# Altium PCB node24.PcbDoc (part 7 of 10) (continued)
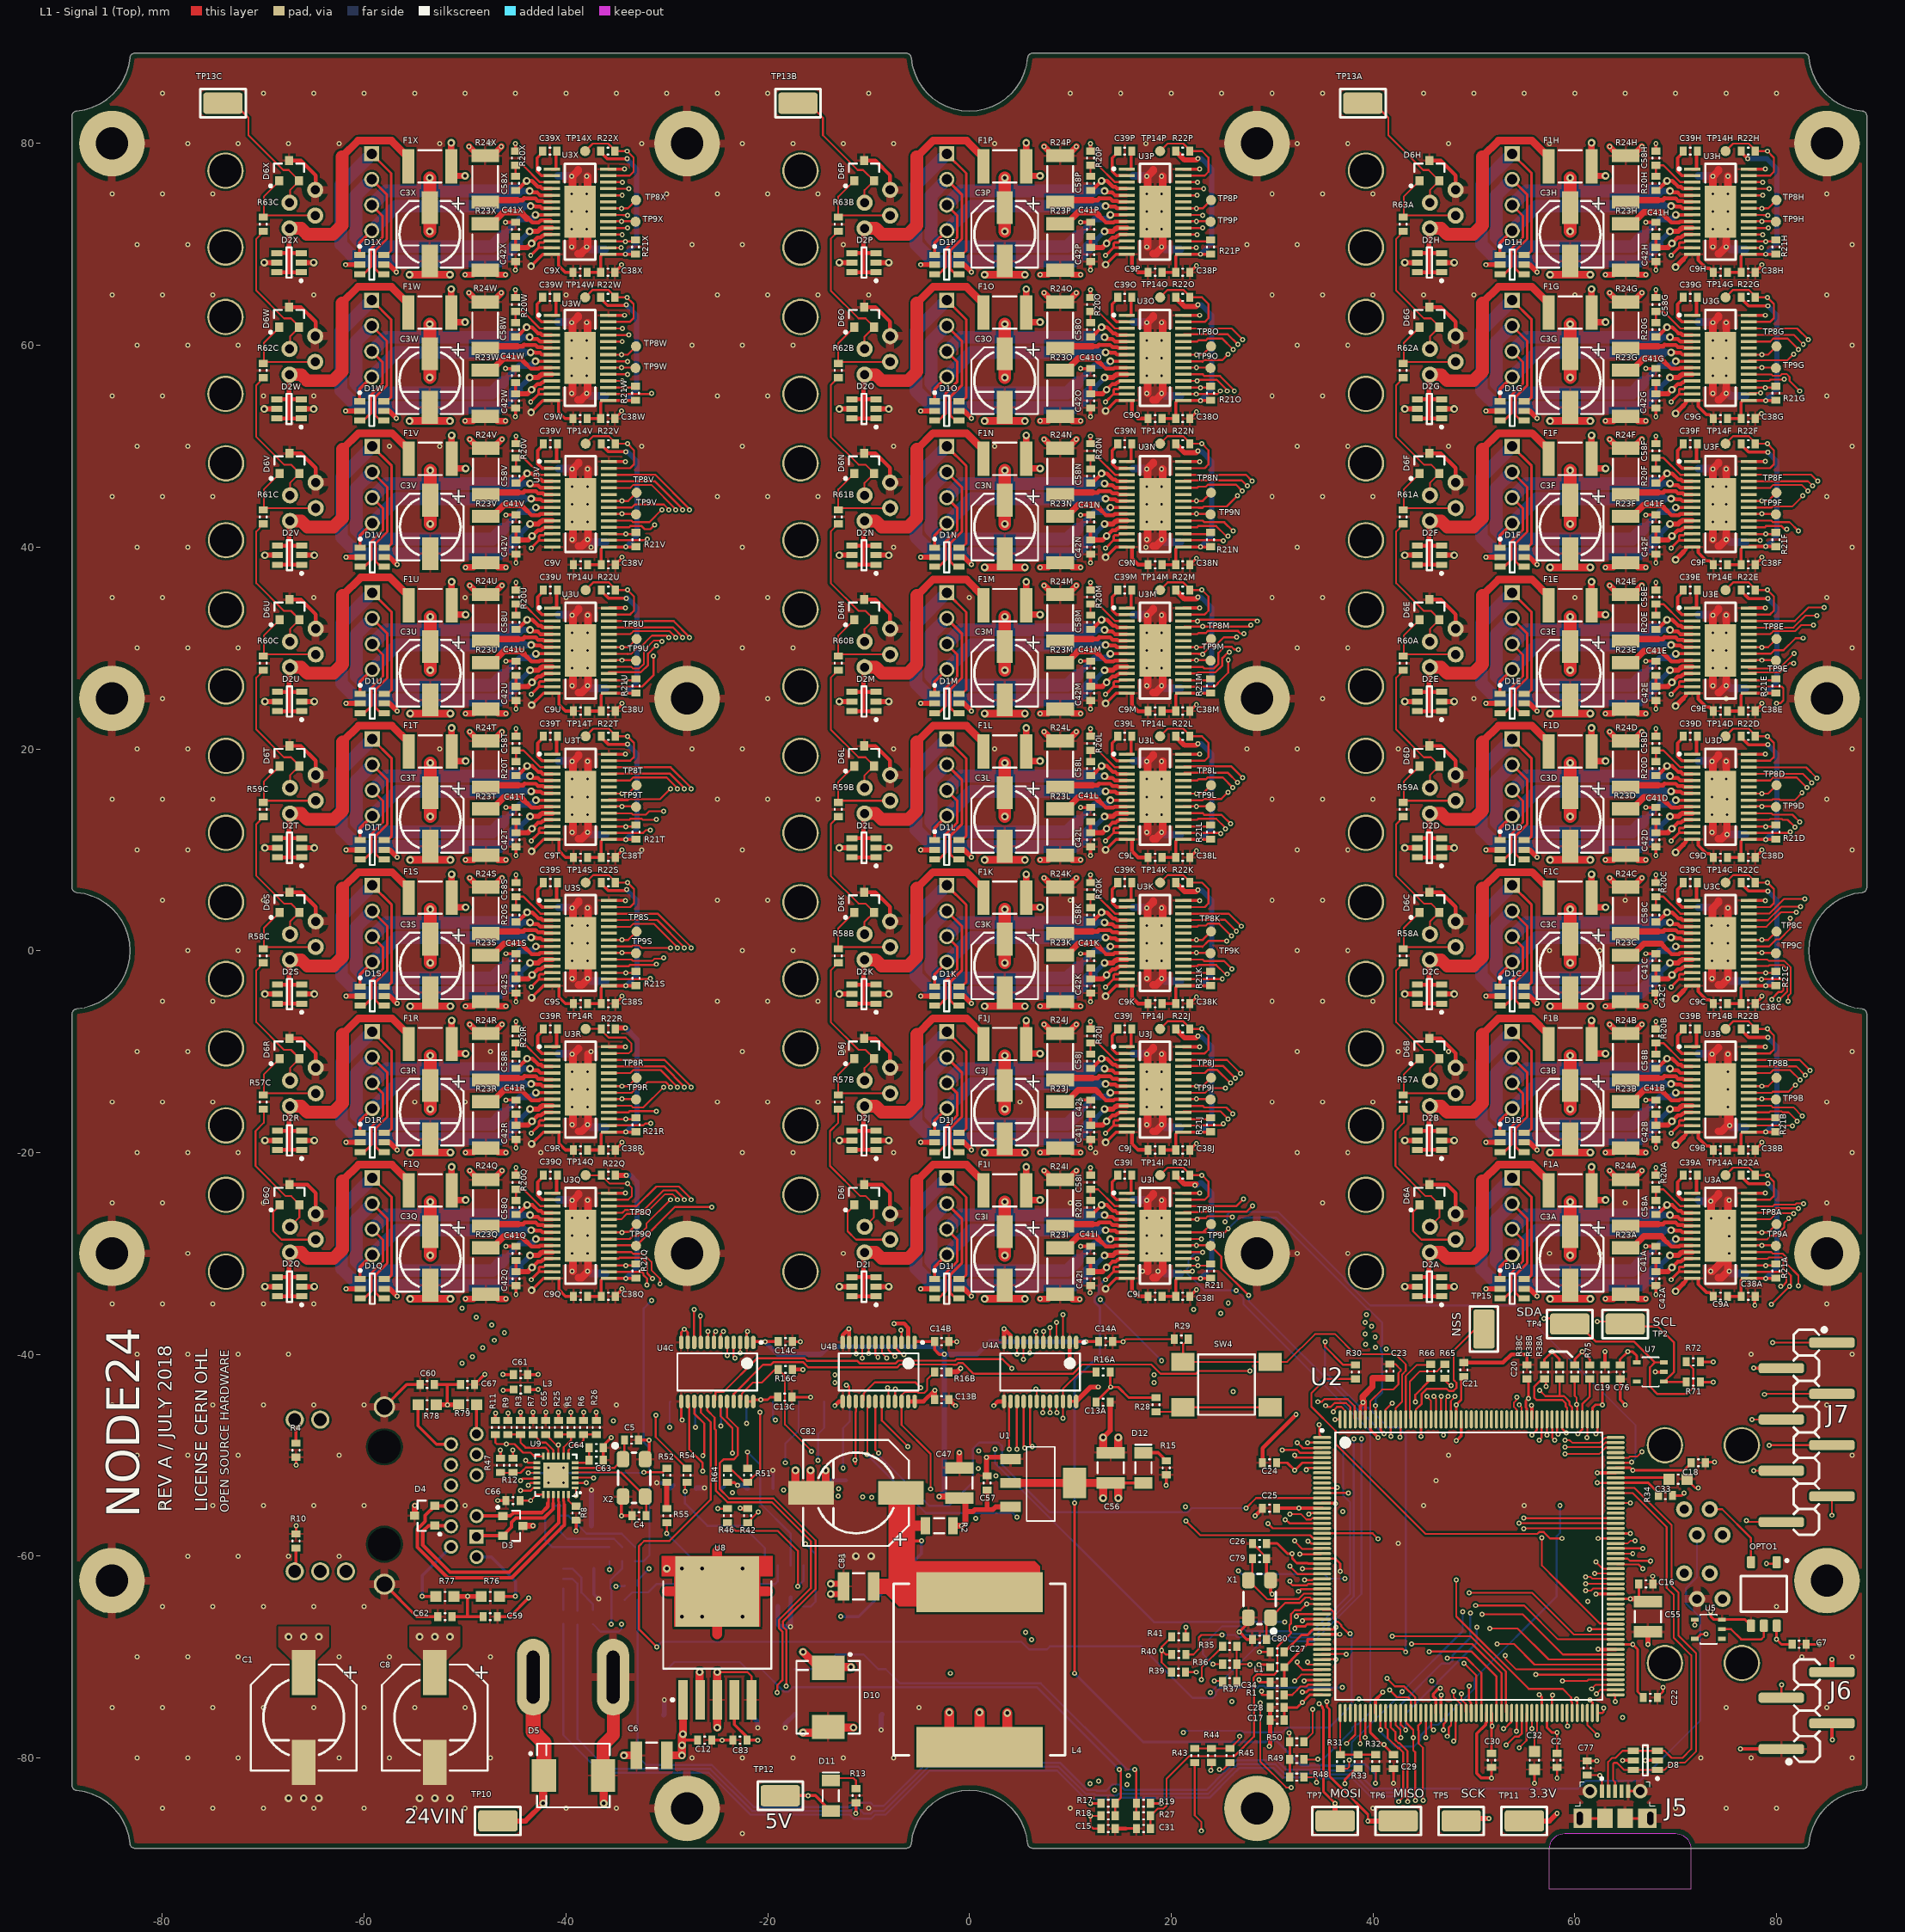
[diagram p0: L1 - Signal 1 (Top) view]
## Nets (pads, with @x,y where several pads share a name; then routed paths per layer and width w, separated by ;. In a path a pad name is that pad's centre, name@x,y a point inside that pad or via, vN(x,y) a via of type N, cw(c..) or ccw(c..) an arc to the next point about the centre after c; other vN are vias at no path point) (continued)
DRV-BANKC-MODE0: R37.2 U3Q.24 U3R.24 U3S.24 U3T.24 U3U.24 U3V.24 U3W.24 U3X.24 | length 245.5
  L1 - Signal 1 (Top) w0.18: U3Q.24@-35.75,-26.625 -34.525,-26.625 -33.975,-26.075 -32.125,-26.075 -30.175,-24.125 -29.443,-24.125 -28.947,-24.622 v1(-28.947,-24.675) ; U3R.24@-35.75,-12.125 -33.615,-12.125 -33.319,-11.829 -30.614,-11.829 -28.947,-13.497 v1(-28.947,-13.55) ; U3S.24@-35.75,2.375 -33.615,2.375 -33.319,2.671 -31.289,2.671 -28.947,0.328 v1(-28.947,0.275) ; U3T.24@-35.75,16.875 -33.633,16.875 -33.338,17.171 -30.014,17.171 -28.947,16.103 v1(-28.947,16.05) ; U3U.24@-35.75,31.375 -33.615,31.375 -33.319,31.671 -29.714,31.671 -29.122,31.078 v1(-29.122,31.025) ; U3V.24@-35.75,45.875 -33.615,45.875 -33.319,46.171 -31.539,46.171 -29.122,43.753 v1(-29.122,43.7) ; v1(24.257,-72.39) 25.028,-72.39 R37.2@25.1,-72.462
  L1 - Signal 1 (Top) w0.203: U3W.24@-35.8,60.375 v1(-34.425,60.375) ; U3X.24@-35.8,74.875 v1(-34.425,74.875)
  L2 - Signal 2 w0.203: v1(-34.425,60.375) -29.122,55.072 v1(-29.122,43.7)
  L5 - Signal 3 w0.18: v1(-34.425,74.875) -34.425,74.242 -31.998,71.815 -31.998,69.687 -29.896,67.584 -29.896,54.57 -30.048,54.418 -30.048,44.68 -29.122,43.753 v1(-29.122,43.7) v1(-29.122,31.025) -29.122,28.872 -31.677,26.317 -31.677,19.958 -28.947,17.228 v1(-28.947,16.05) v1(-28.947,0.275) v1(-28.947,-13.55) v1(-28.947,-24.675) -28.947,-24.728 -17.324,-36.351 -17.095,-36.351 -12.326,-41.121 -12.233,-41.121 15.353,-68.707 20.574,-68.707 v1(24.257,-72.39)
DRV-BANKC-MODE1: R41.2 U3Q.25 U3R.25 U3S.25 U3T.25 U3U.25 U3V.25 U3W.25 U3X.25 | length 247.3
  L1 - Signal 1 (Top) w0.203: U3W.25@-35.8,61.025 v1(-33.775,61.025) ; U3X.25@-35.8,75.525 v1(-33.775,75.525) ; U3Q.25@-35.75,-25.975 -34.401,-25.975 -34.129,-25.703 -32.279,-25.703 -30.329,-23.753 -29.111,-23.753 -28.258,-24.605 v1(-28.258,-24.675) ; U3R.25@-35.75,-11.475 -35.732,-11.457 -30.281,-11.457 -28.258,-13.48 v1(-28.258,-13.55) ; U3S.25@-35.75,3.025 -35.732,3.043 -30.956,3.043 -28.258,0.345 v1(-28.258,0.275) ; U3T.25@-35.75,17.525 -35.732,17.543 -29.681,17.543 -28.258,16.12 v1(-28.258,16.05) ; U3U.25@-35.75,32.025 -35.732,32.043 -29.381,32.043 -28.433,31.095 v1(-28.433,31.025) ; U3V.25@-35.75,46.525 -35.732,46.543 -31.206,46.543 -28.433,43.77 v1(-28.433,43.7) ; R41.2@21.45,-68 v1(21.45,-67.056)
  L2 - Signal 2 w0.203: v1(-33.775,61.025) -28.433,55.683 v1(-28.433,43.7)
  L5 - Signal 3 w0.18: v1@-33.786,75.536 v1(-33.775,75.525) -33.775,74.118 -31.626,71.969 -31.626,70.375
  L5 - Signal 3 w0.203: -31.626,70.375 -31.626,69.841 -29.523,67.739 -29.523,54.416 -29.676,54.264 -29.676,45.012 -28.433,43.77 v1(-28.433,43.7) v1(-28.433,31.025) -28.433,29.034 -31.305,26.163 -31.305,20.112 -28.258,17.066 v1(-28.258,16.05) v1(-28.258,0.275) v1(-28.258,-13.55) v1(-28.258,-24.675) -28.258,-24.745 -17.024,-35.979 -16.941,-35.979 -12.172,-40.748 -12.079,-40.748 14.228,-67.056 v1(21.45,-67.056)
DRV-BANKC-MODE2: R45.2 U3Q.26 U3R.26 U3S.26 U3T.26 U3U.26 U3V.26 U3W.26 U3X.26 | length 273.9
  L1 - Signal 1 (Top) w0.203: U3W.26@-35.8,61.675 v1(-34.4,61.675) v1@-34.286,61.561 ; U3X.26@-35.8,76.175 v1(-34.4,76.175) ; U3Q.26@-35.75,-25.325 -35.744,-25.319 -32.994,-25.319 -31.044,-23.369 -28.806,-23.369 -27.57,-24.605 v1(-27.57,-24.675) ; U3R.26@-35.75,-10.825 -30.225,-10.825 -27.57,-13.48 v1(-27.57,-13.55) ; U3S.26@-35.75,3.675 -30.9,3.675 -27.57,0.345 v1(-27.57,0.275) ; U3T.26@-35.75,18.175 -29.625,18.175 -27.57,16.12 v1(-27.57,16.05) ; U3U.26@-35.75,32.675 -29.325,32.675 -27.745,31.095 v1(-27.745,31.025) ; U3V.26@-35.75,47.175 -31.15,47.175 -27.745,43.77 v1(-27.745,43.7) ; v1(24.765,-81.153) 25.147,-81.153 R45.2@25.84,-80.46
  L2 - Signal 2 w0.203: v1(-34.4,61.675) -33.667,61.675 -27.745,55.753 v1@-27.745,43.77 ; v1(24.765,-81.153) 24.765,-75.692 v1(26.035,-74.422)
  L5 - Signal 3 w0.18: v1(-34.4,76.175) -33.475,76.175 -33.107,75.807 -33.107,73.993 -31.242,72.128 -31.242,70.7
  L5 - Signal 3 w0.203: -31.242,70.7 -31.242,70 -29.14,67.897 -29.14,54.257 -29.292,54.105 -29.292,45.317 -27.745,43.77 v1(-27.745,43.7) v1(-27.745,31.025) -27.745,29.18 -30.921,26.004 -30.921,20.271 -27.57,16.92 v1(-27.57,16.05) v1(-27.57,0.275) v1(-27.57,-13.55) v1(-27.57,-24.675) -27.57,-24.709 -11.076,-41.203 -11.076,-41.21 14.009,-66.294 25.019,-66.294 26.035,-67.31 v1(26.035,-74.422)
DRV-BANKC-nENBL: U2.152 U3Q.21 U3R.21 U3S.21 U3T.21 U3U.21 U3V.21 U3W.21 U3X.21 | length 279
  L1 - Signal 1 (Top) w0.18: U3Q.21@-35.75,-28.575 -33.675,-28.575 -33.375,-28.275 -32.85,-28.275 -32.025,-27.45 -32.025,-27.065 v1(-29.635,-24.675) ; U3R.21@-35.75,-14.075 -33.465,-14.075 -32.84,-13.45 -32.342,-13.45 -31.917,-13.025 -30.106,-13.025 -29.635,-13.497 v1(-29.635,-13.55) ; U3S.21@-35.75,0.425 -33.465,0.425 -33.369,0.52 -32.731,0.52 -32.485,0.275 v1(-29.635,0.275) ; U3T.21@-35.75,14.925 -35.75,15.02 -30.665,15.02 v1(-29.635,16.05) ; U3U.21@-35.75,29.425 -33.888,29.425 -33.5,29.425 -32.925,30 -32.7,30 -31.475,31.225 -30.01,31.225 v1(-29.81,31.025) ; U3V.21@-35.75,43.925 -33.465,43.925 -33.165,44.225 -30.281,44.225 -29.81,43.753 v1(-29.81,43.7) ; U2.152@64.05,-50.25 65.34,-50.25 65.442,-50.148 66.184,-50.148 v1(66.675,-49.657)
  L1 - Signal 1 (Top) w0.203: U3W.21@-35.8,58.425 -33.938,58.425 v1@-33.913,58.4 ; U3X.21@-35.8,72.925 -33.938,72.925 v1@-33.913,72.9 ; U3T.21@-35.75,14.925 -33.888,14.925 -33.863,14.9 ; -34.3,58.4 v1@-33.913,58.4 ; -34.3,72.9 v1@-33.913,72.9 ; v1(-33.9,58.387) v1@-33.913,58.4 ; v1(-33.9,72.887) v1@-33.913,72.9 ; -33.888,29.425 -33.863,29.4
  L2 - Signal 2 w0.18: v1(-29.635,-24.675) -29.635,-24.622 -28.663,-23.65 -19.681,-23.65 -17.767,-21.736 -15.734,-21.736 -13.819,-23.65 20.199,-23.65 22.549,-21.3 29.725,-21.3 37.025,-28.6 40.85,-28.6 54.575,-42.325 58.7,-42.325 66.032,-49.657 v1(66.675,-49.657) v1@66.675,-49.784
  L2 - Signal 2 w0.203: v1(-33.9,58.387) -29.81,54.297 v1(-29.81,43.7)
  L5 - Signal 3 w0.18: v1(-33.9,72.887) -32.359,71.345 -32.359,69.537 -30.256,67.435 -30.256,54.719 -30.409,54.567 -30.409,44.352 -29.81,43.753 v1(-29.81,43.7) v1(-29.81,31.025) -29.81,28.694 -32.038,26.466 -32.038,19.809 -29.635,17.406 v1(-29.635,16.05) v1(-29.635,0.275) v1(-29.635,-13.55) v1(-29.635,-24.675)
DRV-BANKC-nFAULT: R38C.1 U2.163 U3Q.18 U3R.18 U3S.18 U3T.18 U3U.18 U3V.18 U3W.18 U3X.18 | length 271.5
  L1 - Signal 1 (Top) w0.203: U3W.18@-35.8,56.475 v1(-34.425,56.475) ; U3X.18@-35.8,70.975 v1(-34.425,70.975) ; U3Q.18@-35.75,-30.525 -34.775,-30.525 -34.668,-30.418 -32.483,-30.418 -31.935,-30.967 -31.935,-31.99 v1(-31.425,-32.5) ; U3R.18@-35.75,-16.025 -33.8,-16.025 -33.686,-15.911 -31.036,-15.911 v1(-31.025,-15.9) ; U3S.18@-35.75,-1.525 -33.775,-1.525 -33.668,-1.418 -31.118,-1.418 v1(-31.025,-1.325) ; U3T.18@-35.75,12.975 -33.724,12.975 -33.617,13.082 -32.483,13.082 -32.376,12.975 -31.075,12.975 v1(-31.025,13.025) ; U3U.18@-35.75,27.475 -35.75,27.607 -32.577,27.607 -31.861,28.323 -31.861,29.447 -31.083,30.225 v1(-31.05,30.225) ; U3V.18@-35.75,41.975 -33.724,41.975 -33.617,42.082 -32.483,42.082 -32.176,41.775 -31.625,41.775 v1(-31.2,42.2) ; v1(57.15,-43.18) 57.15,-42.6 R38C.1@57,-42.45 56.75,-42.45 55.979,-43.221 55.979,-44.295 56.217,-44.533 58.783,-44.533 59.116,-44.866 59.116,-45.177 59.25,-45.31 U2.163@59.25,-46.45
  L2 - Signal 2 w0.203: v1(-34.425,56.475) -33.767,56.475 -32.444,55.152 -32.444,54.864 -31.2,53.62 v1(-31.2,42.2) ; v1(-31.425,-32.5) -30.532,-31.607 -30.532,-28.395 -26.159,-24.022 -19.526,-24.022 -17.612,-22.108 -15.888,-22.108 -13.974,-24.022 20.353,-24.022 22.661,-21.714 29.613,-21.714 36.871,-28.972 40.628,-28.972 54.353,-42.697 56.667,-42.697 v1(57.15,-43.18)
  L5 - Signal 3 w0.18: v1(-34.425,70.975) -34.017,70.975 -33.091,70.049
  L5 - Signal 3 w0.203: -33.091,70.049 -33.091,69.234 -30.989,67.131 -30.989,55.023 -31.141,54.871 -31.141,43.815 -31.2,43.756 v1(-31.2,42.2) -31.2,31.036 -31.036,30.872 -31.036,30.456 -31.159,30.334 -30.941,30.334 v1(-31.05,30.225) -31.05,29.708 -30.789,29.447 -30.789,28.751 -32.77,26.77 -32.77,19.505 -31.012,17.747 -31.025,17.733 v1(-31.025,13.025) v1(-31.025,-1.325) v1(-31.025,-15.9) -31.064,-15.939 -31.064,-24.76 -31.425,-25.121 v1(-31.425,-32.5)
DRV-BANKC-nRESET: U2.100 U3Q.16 U3R.16 U3S.16 U3T.16 U3U.16 U3V.16 U3W.16 U3X.16 | length 252.5
  L1 - Signal 1 (Top) w0.203: U3W.16@-35.8,55.175 -34.525,55.175 -34.518,55.182 v1@-31.56,55.182 ; U3X.16@-35.8,69.675 v1(-34.525,69.675) ; U3Q.16@-35.75,-31.825 -35.75,-31.818 -32.483,-31.818 -32.318,-31.983 -32.318,-32.149 -31.961,-32.506 v1(-31.961,-33.139) ; U3R.16@-35.75,-17.325 -35.75,-17.318 -32.343,-17.318 -32.15,-17.125 v1(-31.6,-17.125) ; U3S.16@-35.75,-2.825 -35.75,-2.818 -31.693,-2.818 v1(-31.625,-2.75) ; U3T.16@-35.75,11.675 -35.75,11.682 -32.343,11.682 -32.075,11.95 v1(-31.625,11.95) ; U3U.16@-35.75,26.175 -35.743,26.182 -32.443,26.182 -31.325,27.3 v1(-31.325,29.225) ; U3V.16@-35.75,40.675 -33.624,40.675 -33.617,40.682 -32.483,40.682 -32.476,40.675 -32.075,40.675 v1(-31.95,40.8) ; v1(60.198,-74.168) 60.25,-74.22 U2.100@60.25,-75.55
  L2 - Signal 2 w0.203: v1(38.608,-74.168) 39.19,-74.75 59.616,-74.75 v1(60.198,-74.168)
  L5 - Signal 3 w0.18: v1(-34.525,69.675) -33.75,69.675 -33.475,69.4 -33.475,69.075
  L5 - Signal 3 w0.203: -33.475,69.075 -31.525,67.125 v1(-31.525,55.245) -31.525,44.2 -31.95,43.775 v1(-31.95,40.8) -31.95,29.85 v1(-31.325,29.225) -33.154,27.396 -33.154,19.346 -31.629,17.821 -31.629,11.954 v1(-31.625,11.95) v1(-31.625,-2.75) -31.625,-17.1 v1(-31.6,-17.125) -31.6,-24.753 -31.961,-25.114 v1(-31.961,-33.139) -31.361,-33.139 -27.408,-37.092 -17.391,-37.092 -12.564,-41.919 21.336,-75.819 34.925,-75.819 36.576,-74.168 v1(38.608,-74.168)
DRV-BANKC-STEP-0: TP8Q.1 U2.17 U3Q.22 | length 89.9
  L1 - Signal 1 (Top) w0.18: v1(31.752,-55.853) 32.885,-55.853 33.409,-56.377 33.844,-56.377 33.977,-56.244 34.944,-56.244 U2.17@34.95,-56.25
  L1 - Signal 1 (Top) w0.203: U3Q.22@-35.75,-27.925 v1(-34.45,-27.925) -34.403,-27.878 -33.778,-27.878 TP8Q.1@-33,-27.1
  L2 - Signal 2 w0.18: v1(-13.335,-42.037) v1(18.288,-42.037)
  L5 - Signal 3 w0.18: v1(-34.45,-27.925) -33.525,-27.925 -32.914,-28.536 -32.914,-37.586 -28.446,-42.054 -13.352,-42.054 v1(-13.335,-42.037) ; v1(18.288,-42.037) 31.752,-55.501 v1(31.752,-55.853)
DRV-BANKC-STEP-1: TP8R.1 U2.22 U3R.22 | length 106.6
  L1 - Signal 1 (Top) w0.203: U3R.22@-35.75,-13.425 v1(-34.45,-13.425) -33.825,-13.425 TP8R.1@-33,-12.6 ; v1(33.541,-58.534) 33.642,-58.534 33.858,-58.75 U2.22@34.95,-58.75
  L2 - Signal 2 w0.203: v1(0.635,-56.261) 0.672,-56.261 0.781,-56.153 3.015,-58.387 30.261,-58.387 30.301,-58.347 31.645,-58.347 32.028,-57.964 33.072,-57.964 33.541,-58.433 v1(33.541,-58.534)
  L5 - Signal 3 w0.203: v1(-34.45,-13.425) -35.395,-14.37 -35.395,-36.184 -28.243,-43.335 -21.346,-43.335 -21.231,-43.22 -20.171,-43.22 -20.056,-43.335 -13.113,-43.335 -13.085,-43.307 -5.666,-50.726 -4.867,-50.726 0.635,-56.229 v1(0.635,-56.261)
DRV-BANKC-STEP-2: TP8S.1 U2.24 U3S.22 | length 128
  L1 - Signal 1 (Top) w0.203: U3S.22@-35.75,1.075 v1(-34.45,1.075) -33.825,1.075 TP8S.1@-33,1.9 ; v1(32.766,-59.817) 34.883,-59.817 U2.24@34.95,-59.75
  L2 - Signal 2 w0.203: v1(-10.575,-54.125) -10.508,-54.125 -10.072,-54.561 -10.072,-55.204 -5.81,-59.466 25.745,-59.466 25.813,-59.398 29.318,-59.398 29.42,-59.5 30.201,-59.5 30.609,-59.091 32.099,-59.091 32.766,-59.758 v1(32.766,-59.817)
  L5 - Signal 3 w0.203: v1(-34.45,1.075) -35.372,0.153 -35.372,-13.294 -36.139,-14.061 -36.139,-36.492 -28.317,-44.314 -21.273,-44.314 -20.923,-43.964 -20.479,-43.964 -20.129,-44.314 -16.444,-44.314 -15.972,-44.786 -15.528,-44.786 -15.056,-44.314 -13.13,-44.314 -10.575,-46.87 -10.575,-49.568 -10.696,-49.689 -10.696,-54.004 v1(-10.575,-54.125)
DRV-BANKC-STEP-3: TP8T.1 U2.28 U3T.22 | length 143.5
  L1 - Signal 1 (Top) w0.203: U3T.22@-35.75,15.575 v1(-34.45,15.575) -33.825,15.575 TP8T.1@-33,16.4 ; v1(31.75,-61) 32.536,-61.786 34.914,-61.786 U2.28@34.95,-61.75
  L2 - Signal 2 w0.203: v1(-13.016,-54.036) -11.219,-55.833 -10.528,-55.833 -6.128,-60.233 26.062,-60.233 26.13,-60.165 29,-60.165 29.835,-61 v1(31.75,-61)
  L5 - Signal 3 w0.203: v1(-34.45,15.575) -35.559,14.466 -35.559,1.051 -36.139,0.471 -36.139,-12.976 -36.906,-13.744 -36.906,-36.916 -28.241,-45.581 -21.677,-45.581 -20.972,-46.286 -20.528,-46.286 -20.214,-45.972 -20.214,-45.965 -19.812,-45.563 -14.889,-45.563 -13.338,-47.114 -13.338,-50.812 -13.444,-50.919 -13.444,-51.681 -13.338,-51.788 -13.338,-52.966 -13.49,-53.118 -13.49,-53.566 -13.02,-54.036 v1(-13.016,-54.036)
DRV-BANKC-STEP-4: TP8U.1 U2.30 U3U.22 | length 157.4
  L1 - Signal 1 (Top) w0.203: U3U.22@-35.75,30.075 v1(-34.45,30.075) -33.825,30.075 TP8U.1@-33,30.9 ; v1(31.75,-62.5) 31.75,-62.611 32.032,-62.893 33.44,-62.893 33.565,-62.768 34.932,-62.768 U2.30@34.95,-62.75
  L2 - Signal 2 w0.203: v1(-23.495,-53.721) -23.495,-53.848 -23.118,-54.225 -14.127,-54.225 -11.752,-56.6 -10.846,-56.6 -6.446,-61 26.38,-61 26.448,-60.932 28.682,-60.932 30.25,-62.5 v1(31.75,-62.5)
  L5 - Signal 3 w0.203: v1(-34.45,30.075) -35.517,29.008 -35.517,15.593 -36.326,14.784 -36.326,1.369 -36.906,0.789 -36.906,-11.906 -38.411,-13.411 -38.411,-37.347 -28.722,-47.036 -28.332,-47.036 -24,-51.368 -24,-53.216 v1(-23.495,-53.721)
DRV-BANKC-STEP-5: TP8V.1 U2.70 U3V.22 | length 220.6
  L1 - Signal 1 (Top) w0.203: U3V.22@-35.75,44.575 v1(-34.45,44.575) -33.825,44.575 TP8V.1@-33,45.4 ; v1(45.25,-78) U2.70@45.25,-75.55
  L2 - Signal 2 w0.203: v1@15.65,-81.775 15.66,-81.765 24.96,-81.765 27.109,-79.616 33.764,-79.616 34.163,-79.218 34.925,-79.218 35.324,-79.616 36.96,-79.616 37.28,-79.297 38.042,-79.297 38.362,-79.616 44.634,-79.616 45.25,-79 v1(45.25,-78)
  L5 - Signal 3 w0.18: 14.365,-81.56 14.58,-81.775 v1@15.65,-81.775
  L5 - Signal 3 w0.203: v1(-34.45,44.575) -34.45,44.058 -35.395,43.113 -35.395,30.941 -36.645,29.69 -36.645,17.23 -38.089,15.786 -38.097,15.786 -38.411,15.472 -38.411,1.731 -38.794,1.348 -38.794,-8.887 -40.319,-10.412 -40.319,-43.455 -42.051,-45.187 -45.468,-45.187 -45.529,-45.248 -46.927,-45.248 -46.988,-45.187 -47.346,-45.187 -48.006,-45.847 -48.006,-46.823 -47.491,-47.338 -47.491,-52.459 -43.786,-56.164 -43.786,-57.222 -41.799,-59.209 -17.474,-59.209 -16.531,-58.265 -15.981,-58.265 -15.676,-58.57 -8.868,-58.57 -0.979,-66.458 0.337,-67.774 0.725,-68.163 0.968,-68.163 14.365,-81.56
  other v1: 15.75,-81.75
DRV-BANKC-STEP-6: TP8W.1 U2.74 U3W.22 | length 240.5
  L1 - Signal 1 (Top) w0.203: U3W.22@-35.8,59.075 v1(-34.5,59.075) -33.875,59.075 TP8W.1@-33.05,59.9 ; v1(46.99,-77.216) 46.99,-76.671 47.197,-76.464 47.197,-75.603 U2.74@47.25,-75.55
  L2 - Signal 2 w0.203: v1(14.401,-83.179) 14.408,-83.186 16.454,-83.186 17.108,-82.532 25.278,-82.532 27.058,-80.752 45.248,-80.752 46.5,-79.5 46.5,-77.706 v1(46.99,-77.216)
  L5 - Signal 3 w0.18: 13.823,-82.601 v1(14.401,-83.179)
  L5 - Signal 3 w0.203: v1(-34.5,59.075) -34.5,58.558 -36.162,56.896 -36.162,32.263 -38.411,30.014 -38.411,18.914 -39.936,17.389 -39.936,1.554 -40.319,1.171 -40.319,-9.327 -41.087,-10.094 -41.087,-43.137 -42.369,-44.419 -45.786,-44.419 -45.847,-44.48 -46.609,-44.48 -46.889,-44.2 -47.756,-44.2 -49.908,-46.352 -49.908,-52.762 -42.627,-60.043 -15.559,-60.043 -14.853,-59.337 -9.225,-59.337 0.368,-68.93 0.651,-68.93 13.6,-81.879 13.6,-82.378 13.823,-82.601
DRV-BANKC-STEP-7: TP8X.1 U2.76 U3X.22 | length 265.1
  L1 - Signal 1 (Top) w0.203: U3X.22@-35.8,73.575 v1(-34.5,73.575) -33.875,73.575 TP8X.1@-33.05,74.4 ; v1(48.006,-78.359) 48.182,-78.183 48.182,-75.618 U2.76@48.25,-75.55
  L2 - Signal 2 w0.203: v1(11.938,-82.55) 11.938,-82.571 13.442,-84.075 13.996,-84.075 14.02,-84.099 16.626,-84.099 17.426,-83.299 25.595,-83.299 27.375,-81.519 45.731,-81.519 48.006,-79.244 v1(48.006,-78.359)
  L5 - Signal 3 w0.203: v1(-34.5,73.575) -34.5,73.058 -35.771,71.787 -35.771,58.372 -36.929,57.214 -36.929,36.771 -39.936,33.764 -39.936,19.514 -40.703,18.747 -40.703,1.872 -41.087,1.489 -41.087,-9.009 -41.854,-9.776 -41.854,-41.862 -42.92,-42.928 -45.805,-42.928 -45.848,-42.97 -47.92,-42.97 -52.705,-47.755 -52.705,-59.817 -50.416,-62.106 -35.538,-62.106 -35.454,-62.022 -31.602,-62.022 -31.283,-62.341 -20.841,-62.341 -19.634,-61.134 -8.616,-61.134 11.938,-81.688 v1(11.938,-82.55)
DRV-BANKC-VREF: R33.1 U3Q.12 U3Q.13 U3R.12 U3R.13 U3S.12 U3S.13 U3T.12 U3T.13 U3U.12 U3U.13 U3V.12 U3V.13 U3W.12 U3W.13 U3X.12 U3X.13 | length 283.3
  L1 - Signal 1 (Top) w0.254: v1(-43.5,54.4) -42.7,55.2 ; v1(-43.5,68.9) -42.7,69.7 ; v1(-43.45,-32.6) -42.65,-31.8 ; v1(-43.45,-18.1) -42.65,-17.3 ; v1(-43.45,-3.6) -42.65,-2.8 ; v1(-43.45,10.9) -42.65,11.7 ; v1(-43.45,25.4) -42.65,26.2 ; v1(-43.45,39.9) -42.65,40.7 ; U3W.13@-41.4,55.175 -42.675,55.175 -42.7,55.2 ; U3W.12@-41.4,55.825 -42.09,55.825 -42.238,55.677 -42.623,55.677 -42.7,55.6 -42.7,55.2 ; U3X.13@-41.4,69.675 -42.675,69.675 -42.7,69.7 ; U3X.12@-41.4,70.325 -42.09,70.325 -42.238,70.177 -42.623,70.177 -42.7,70.1 -42.7,69.7 ; U3Q.13@-41.35,-31.825 -42.625,-31.825 -42.65,-31.8 ; U3Q.12@-41.35,-31.175 -42.04,-31.175 -42.188,-31.323 -42.573,-31.323 -42.65,-31.4 -42.65,-31.8 ; U3R.13@-41.35,-17.325 -42.625,-17.325 -42.65,-17.3 ; U3R.12@-41.35,-16.675 -42.04,-16.675 -42.188,-16.823 -42.573,-16.823 -42.65,-16.9 -42.65,-17.3 ; U3S.13@-41.35,-2.825 -42.625,-2.825 -42.65,-2.8 ; U3S.12@-41.35,-2.175 -42.04,-2.175 -42.188,-2.323 -42.573,-2.323 -42.65,-2.4 -42.65,-2.8 ; U3T.13@-41.35,11.675 -42.625,11.675 -42.65,11.7 ; U3T.12@-41.35,12.325 -42.04,12.325 -42.188,12.177 -42.573,12.177 -42.65,12.1 -42.65,11.7 ; U3U.13@-41.35,26.175 -42.625,26.175 -42.65,26.2 ; U3U.12@-41.35,26.825 -42.04,26.825 -42.188,26.677 -42.573,26.677 -42.65,26.6 -42.65,26.2 ; U3V.13@-41.35,40.675 -42.625,40.675 -42.65,40.7 ; U3V.12@-41.35,41.325 -42.04,41.325 -42.188,41.177 -42.573,41.177 -42.65,41.1 -42.65,40.7 ; v1(37.211,-82.55) 37.211,-82.169 38.303,-81.077 R33.1@38.536,-81.077
  L5 - Signal 3 w0.18: 33.55,-81.862 33.602,-81.862 33.622,-81.882 36.924,-81.882 37.211,-82.169 v1(37.211,-82.55)
  L5 - Signal 3 w0.254: v1(-43.5,68.9) -43.5,68.78 -44.147,68.134 -44.147,67.563 -43.5,66.916 -43.5,63.18 -44.831,61.849 -44.831,55.731 v1(-43.5,54.4) -43.5,54.29 -44.389,53.401 -44.389,47.735 -44.538,47.585 -44.538,47.015 -44.45,46.927 -44.45,40.513 -44.063,40.513 v1(-43.45,39.9) -43.45,34.782 -45.085,33.147 -45.085,27.035 v1(-43.45,25.4) -43.45,25.28 -44.097,24.634 -44.097,21.054 -44.958,20.193 -44.958,12.408 v1(-43.45,10.9) -43.45,10.78 -44.097,10.134 -44.097,9.563 -44.069,9.535 -44.069,4.572 -44.831,3.81 -44.831,-2.219 v1(-43.45,-3.6) -43.45,-3.72 -44.097,-4.366 -44.097,-4.937 -43.45,-5.584 -43.45,-9.287 -44.831,-10.668 -44.831,-16.719 v1(-43.45,-18.1) -43.45,-18.22 -44.097,-18.866 -44.097,-19.437 -43.45,-20.084 -43.45,-22.368 -44.831,-23.749 -44.831,-31.219 v1(-43.45,-32.6) -44.323,-33.473 -44.323,-40.867 -46.017,-42.561 -48.09,-42.561 -53.114,-47.586 -53.114,-59.986 -50.416,-62.684 -35.538,-62.684 -35.285,-62.431 -31.771,-62.431 -31.452,-62.75 -20.672,-62.75 -19.464,-61.542 -8.786,-61.542 11.377,-81.705 11.377,-82.783 11.705,-83.111 13.411,-83.111 14.04,-83.74 17.56,-83.74 19.438,-81.862 33.55,-81.862
DRV-BANKD-DIR-0: J7.1 U2.77 | length 71
  L1 - Signal 1 (Top) w0.18: v1(48.006,-73.406) 48.006,-73.961 48.75,-74.705 U2.77@48.75,-75.55 ; v1(79.625,-38.825) 79.64,-38.84 J7.1@85.5,-38.84
  L5 - Signal 3 w0.18: v1(48.006,-73.406) 48.006,-73.66 49.657,-75.311 51.562,-75.311 52.832,-74.041 55.791,-74.041 56.062,-74.312 59.165,-74.312 60.325,-73.152 60.325,-49.8 61.34,-48.785 61.939,-48.785 64.145,-46.579 67.428,-46.579 67.789,-46.218 70.101,-46.218 70.483,-46.6 73.217,-46.6 78.25,-41.567 78.25,-40.2 v1(79.625,-38.825)
DRV-BANKD-DIR-1: J7.3 U2.129 | length 41
  L1 - Signal 1 (Top) w0.18: v1(61.976,-61.722) 64.022,-61.722 U2.129@64.05,-61.75 ; v1(78.825,-43.975) 78.88,-43.92 J7.3@85.5,-43.92
  L5 - Signal 3 w0.18: v1(61.976,-61.722) 61.25,-60.996 61.25,-50.279 64.589,-46.939 67.577,-46.939 67.938,-46.579 69.952,-46.579 70.334,-46.961 75.176,-46.961 75.558,-46.579 76.221,-46.579 v1(78.825,-43.975)
DRV-BANKD-DIR-2: J7.5 U2.131 | length 33.1
  L1 - Signal 1 (Top) w0.18: U2.131@64.05,-60.75 64.094,-60.706 64.218,-60.83 66.33,-60.83 v1(66.75,-61.25) ; v1(79.275,-49.025) 79.3,-49 J7.5@85.5,-49
  L5 - Signal 3 w0.18: v1(66.75,-61.25) 66.75,-59.992 66.225,-59.467 66.225,-59.033 66.533,-58.725 66.967,-58.725 67.139,-58.554 67.139,-52.776 67.576,-52.339 76.169,-52.339 77.508,-51 78.779,-51 79.275,-50.504 v1(79.275,-49.025)
DRV-BANKD-DIR-3: J7.7 U2.133 | length 24.9
  L1 - Signal 1 (Top) w0.18: U2.133@64.05,-59.75 v1(65.75,-59.75) ; v1(85.5,-55.95) J7.7@85.5,-54.08
  L2 - Signal 2 w0.18: v1(65.75,-59.75) 66.508,-59.75 66.533,-59.775 66.967,-59.775 67.131,-59.611 76.399,-59.611 80.06,-55.95 v1(85.5,-55.95)
DRV-BANKD-DIR-4: U2.135 | length 2.1
  L1 - Signal 1 (Top) w0.18: U2.135@64.05,-58.75 65.25,-58.75 65.5,-58.5 v1(66,-58.5)
DRV-BANKD-DIR-5: U2.179
DRV-BANKD-DIR-6: U2.181
DRV-BANKD-DIR-7: U2.183
DRV-BANKD-nENBL: U2.153
DRV-BANKD-nFAULT: U2.8
DRV-BANKD-nRESET: U2.101
DRV-BANKD-STEP-0: J7.2 U2.78 | length 62.8
  L1 - Signal 1 (Top) w0.18: v1(48.768,-73.66) 48.768,-74.213 49.171,-74.616 49.171,-75.419 49.276,-75.524 U2.78@49.25,-75.55
  L1 - Signal 1 (Top) w0.33: v1(77.725,-41.35) 77.755,-41.38 J7.2@80.48,-41.38
  L5 - Signal 3 w0.18: v1(48.768,-73.66) 48.911,-73.803 49.905,-73.803 50.285,-73.423 55.827,-73.423 56.025,-73.225 58.303,-73.225 58.5,-73.423 59.165,-73.423 59.706,-72.882 59.706,-72.015 59.69,-71.999 59.69,-48.138 59.775,-48.053 59.775,-47.5 60.525,-46.75 63.464,-46.75 63.996,-46.218 67.278,-46.218 67.639,-45.857 70.251,-45.857 70.459,-46.066 71.176,-46.066 74.275,-42.967 74.275,-42.562 75.487,-41.35 v1(77.725,-41.35)
DRV-BANKD-STEP-1: J7.4 U2.130 | length 33.3
  L1 - Signal 1 (Top) w0.18: v1(62.103,-60.579) 62.774,-61.25 U2.130@64.05,-61.25 ; v1(77.575,-46.475) 77.59,-46.46 J7.4@80.48,-46.46
  L5 - Signal 3 w0.18: v1(62.103,-60.579) 62.103,-58.77 61.7,-58.367 61.7,-50.339 64.718,-47.321 67.705,-47.321 68.087,-46.939 69.803,-46.939 70.185,-47.321 75.325,-47.321 75.707,-46.939 77.111,-46.939 v1(77.575,-46.475)
DRV-BANKD-STEP-2: J7.6 U2.132 | length 25
  L1 - Signal 1 (Top) w0.18: U2.132@64.05,-60.25 65.25,-60.25 65.469,-60.469 67.211,-60.469 67.492,-60.75 67.5,-60.742 v1(67.5,-60.5) ; v1(77.725,-51.525) 77.74,-51.54 J7.6@80.48,-51.54
  L5 - Signal 3 w0.18: v1(67.5,-60.5) 67.5,-52.925 67.725,-52.7 76.55,-52.7 v1(77.725,-51.525)
DRV-BANKD-STEP-3: J7.8 U2.134 | length 19.1
  L1 - Signal 1 (Top) w0.18: U2.134@64.05,-59.25 64.075,-59.225 66.725,-59.225 v1(66.75,-59.25) ; v1(77,-56.5) 77.12,-56.62 J7.8@80.48,-56.62 J7.8@80.271,-56.829
  L2 - Signal 2 w0.18: v1(66.75,-59.25) 76.25,-59.25 77,-58.5 v1(77,-56.5)
DRV-BANKD-STEP-4: U2.178
DRV-BANKD-STEP-5: U2.180
DRV-BANKD-STEP-6: U2.182
DRV-BANKD-STEP-7: U2.191
DRV-nHOMEA: R22A.1 TP14A.1 U3A.27 | length 9.8
  L1 - Signal 1 (Top) w0.203: TP14A.1@74.95,-22.25 75.7,-21.5 77.25,-21.5 77.9,-22.15 R22A.1@77.9,-22.25 v1(79.1,-22.25) 79.75,-22.9 79.75,-24.3 79.375,-24.675 U3A.27@77.25,-24.675
DRV-nHOMEB: R22B.1 TP14B.1 U3B.27 | length 9.8
  L1 - Signal 1 (Top) w0.203: TP14B.1@74.95,-7.75 75.7,-7 77.25,-7 77.9,-7.65 R22B.1@77.9,-7.75 v1(79.1,-7.75) 79.75,-8.4 79.75,-9.8 79.375,-10.175 U3B.27@77.25,-10.175
DRV-nHOMEC: R22C.1 TP14C.1 U3C.27 | length 9.8
  L1 - Signal 1 (Top) w0.203: TP14C.1@74.95,6.75 75.7,7.5 77.25,7.5 77.9,6.85 R22C.1@77.9,6.75 v1(79.1,6.75) 79.75,6.1 79.75,4.7 79.375,4.325 U3C.27@77.25,4.325
DRV-nHOMED: R22D.1 TP14D.1 U3D.27 | length 9.8
  L1 - Signal 1 (Top) w0.203: TP14D.1@74.95,21.25 75.7,22 77.25,22 77.9,21.35 R22D.1@77.9,21.25 v1(79.1,21.25) 79.75,20.6 79.75,19.2 79.375,18.825 U3D.27@77.25,18.825
DRV-nHOMEE: R22E.1 TP14E.1 U3E.27 | length 9.8
  L1 - Signal 1 (Top) w0.203: TP14E.1@74.95,35.75 75.7,36.5 77.25,36.5 77.9,35.85 R22E.1@77.9,35.75 v1(79.1,35.75) 79.75,35.1 79.75,33.7 79.375,33.325 U3E.27@77.25,33.325
DRV-nHOMEF: R22F.1 TP14F.1 U3F.27 | length 9.8
  L1 - Signal 1 (Top) w0.203: TP14F.1@74.95,50.25 75.7,51 77.25,51 77.9,50.35 R22F.1@77.9,50.25 v1(79.1,50.25) 79.75,49.6 79.75,48.2 79.375,47.825 U3F.27@77.25,47.825
DRV-nHOMEG: R22G.1 TP14G.1 U3G.27 | length 9.8
  L1 - Signal 1 (Top) w0.203: TP14G.1@74.95,64.75 75.7,65.5 77.25,65.5 77.9,64.85 R22G.1@77.9,64.75 v1(79.1,64.75) 79.75,64.1 79.75,62.7 79.375,62.325 U3G.27@77.25,62.325
DRV-nHOMEH: R22H.1 TP14H.1 U3H.27 | length 9.8
  L1 - Signal 1 (Top) w0.203: TP14H.1@74.95,79.25 75.7,80 77.25,80 77.9,79.35 R22H.1@77.9,79.25 v1(79.1,79.25) 79.75,78.6 79.75,77.2 79.375,76.825 U3H.27@77.25,76.825
DRV-nHOMEI: R22I.1 TP14I.1 U3I.27 | length 9.8
  L1 - Signal 1 (Top) w0.203: TP14I.1@18.9,-22.25 19.65,-21.5 21.2,-21.5 21.85,-22.15 R22I.1@21.85,-22.25 v1(23.05,-22.25) 23.7,-22.9 23.7,-24.3 23.325,-24.675 U3I.27@21.2,-24.675
DRV-nHOMEJ: R22J.1 TP14J.1 U3J.27 | length 9.8
  L1 - Signal 1 (Top) w0.203: TP14J.1@18.9,-7.75 19.65,-7 21.2,-7 21.85,-7.65 R22J.1@21.85,-7.75 v1(23.05,-7.75) 23.7,-8.4 23.7,-9.8 23.325,-10.175 U3J.27@21.2,-10.175
DRV-nHOMEK: R22K.1 TP14K.1 U3K.27 | length 9.8
  L1 - Signal 1 (Top) w0.203: TP14K.1@18.9,6.75 19.65,7.5 21.2,7.5 21.85,6.85 R22K.1@21.85,6.75 23.05,6.75 23.7,6.1 23.7,4.7 23.325,4.325 U3K.27@21.2,4.325
DRV-nHOMEL: R22L.1 TP14L.1 U3L.27 | length 9.8
  L1 - Signal 1 (Top) w0.203: TP14L.1@18.9,21.25 19.65,22 21.2,22 21.85,21.35 R22L.1@21.85,21.25 23.05,21.25 23.7,20.6 23.7,19.2 23.325,18.825 U3L.27@21.2,18.825
DRV-nHOMEM: R22M.1 TP14M.1 U3M.27 | length 9.8
  L1 - Signal 1 (Top) w0.203: TP14M.1@18.9,35.75 19.65,36.5 21.2,36.5 21.85,35.85 R22M.1@21.85,35.75 v1(23.05,35.75) 23.7,35.1 23.7,33.7 23.325,33.325 U3M.27@21.2,33.325
DRV-nHOMEN: R22N.1 TP14N.1 U3N.27 | length 9.8
  L1 - Signal 1 (Top) w0.203: TP14N.1@18.9,50.25 19.65,51 21.2,51 21.85,50.35 R22N.1@21.85,50.25 v1(23.05,50.25) 23.7,49.6 23.7,48.2 23.325,47.825 U3N.27@21.2,47.825
DRV-nHOMEO: R22O.1 TP14O.1 U3O.27 | length 9.8
  L1 - Signal 1 (Top) w0.203: TP14O.1@18.9,64.75 19.65,65.5 21.2,65.5 21.85,64.85 R22O.1@21.85,64.75 23.05,64.75 23.7,64.1 23.7,62.7 23.325,62.325 U3O.27@21.2,62.325
DRV-nHOMEP: R22P.1 TP14P.1 U3P.27 | length 9.8
  L1 - Signal 1 (Top) w0.203: TP14P.1@18.9,79.25 19.65,80 21.2,80 21.85,79.35 R22P.1@21.85,79.25 23.05,79.25 23.7,78.6 23.7,77.2 23.325,76.825 U3P.27@21.2,76.825
DRV-nHOMEQ: R22Q.1 TP14Q.1 U3Q.27 | length 8.4
  L1 - Signal 1 (Top) w0.18: TP14Q.1@-38.05,-22.25 R22Q.1@-36.5,-22.25 -35.661,-23.089 -33.934,-23.089 v1(-33.909,-23.063) -33.452,-23.52 -33.452,-24.308 -33.819,-24.675 U3Q.27@-35.75,-24.675